# KiCad board Corne V4 Kea Workshop Edition.kicad_pcb
title: Corne; date: 2023-10-22; rev: 4.0.0; company: foostan
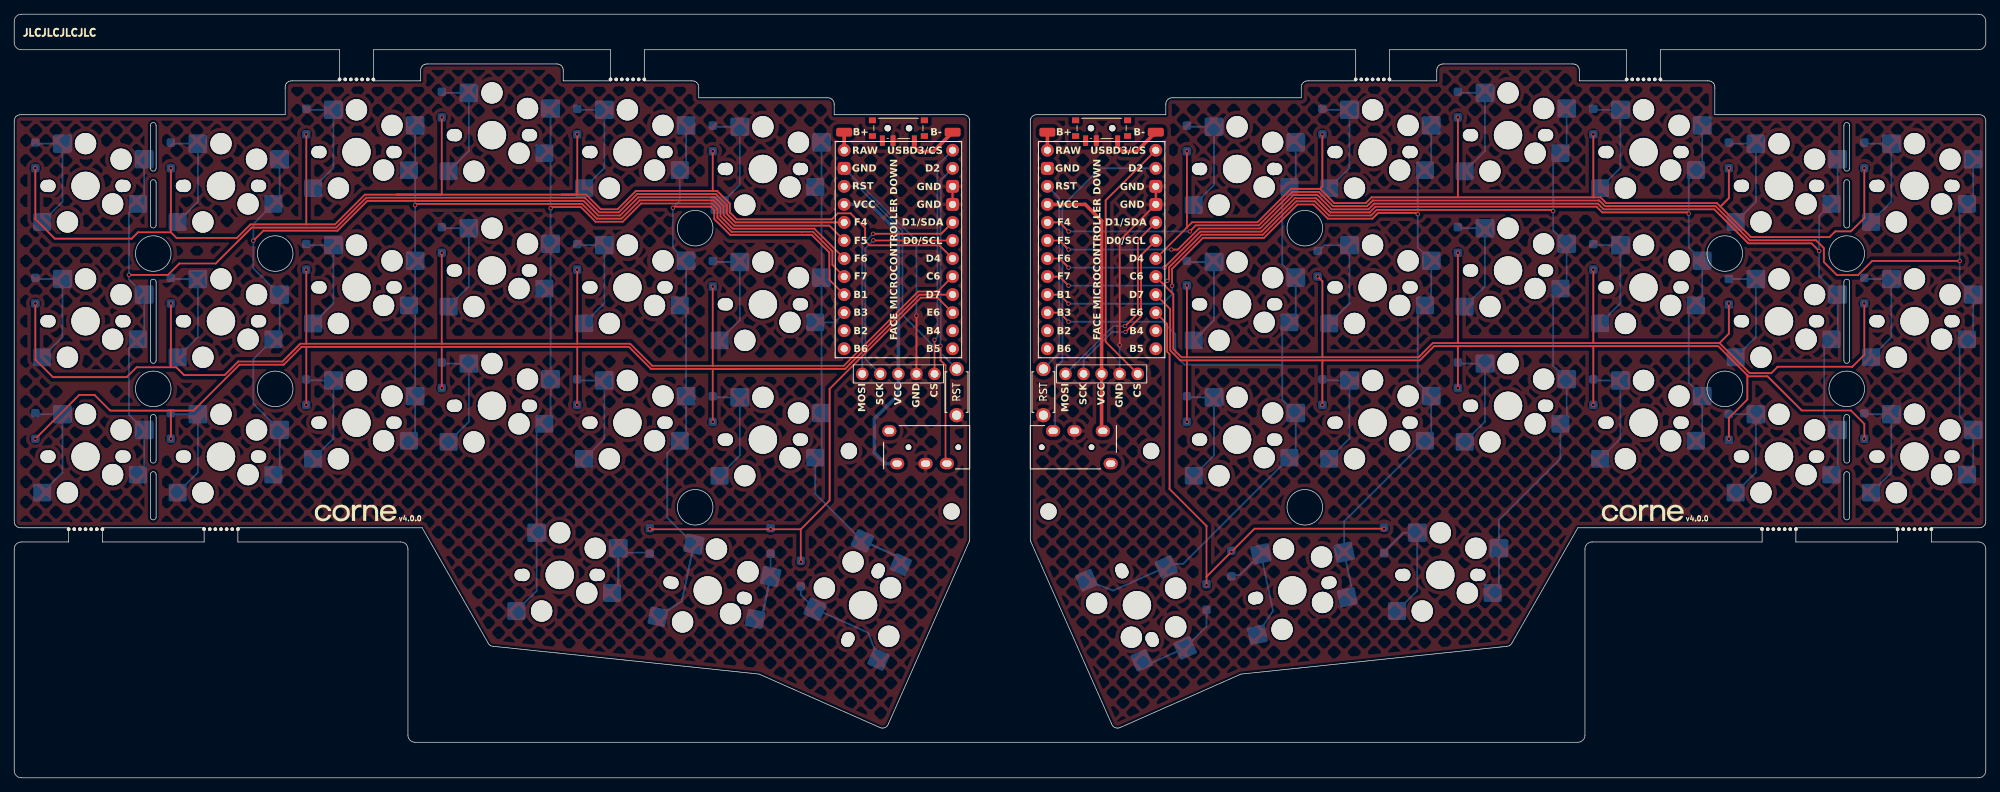
[diagram p0: board, top side]
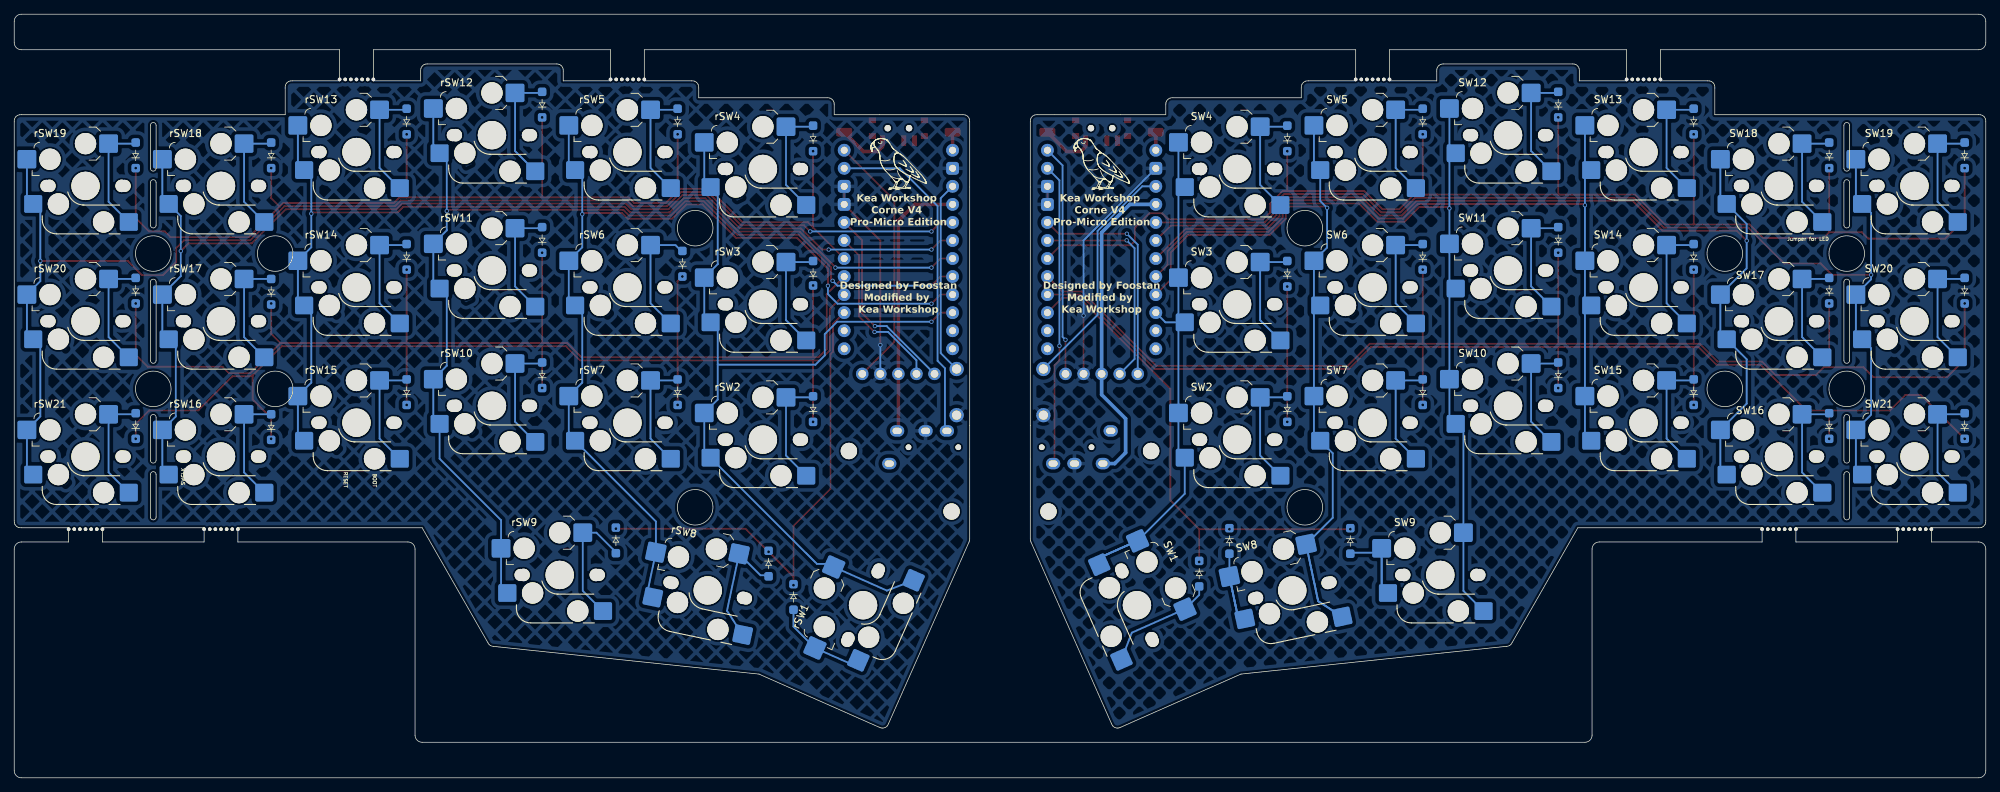
[diagram p1: board, bottom side, seen from below]

Outline 277.23 x 107.49 mm; copper layers: Top, Bottom. Coordinates in mm from the lower left corner of the outline.
Outline path: circle c19.55,73.8 r2.5 ; circle c19.55,54.75 r2.5 ; circle c36.7,73.8 r2.5 ; circle c36.7,54.75 r2.5 ; circle c95.75,77.37 r2.5 ; circle c95.75,38.08 r2.5 ; circle c181.48,77.37 r2.5 ; circle c181.48,38.08 r2.5 ; circle c240.53,73.8 r2.5 ; circle c240.53,54.75 r2.5 ; circle c257.68,73.8 r2.5 ; circle c257.68,54.75 r2.5 ; 0,92.35 0,36.2 ; 1,35.2 7.65,35.2 7.65,33.2 1,33.2 arc(0.29,32.91) 0,32.2 0,1 arc(0.29,0.29) 1,0 276.23,0 arc(276.93,0.29) 277.23,1 277.23,32.2 arc(276.93,32.91) 276.23,33.2 269.58,33.2 269.58,35.2 276.23,35.2 ; 38.1,97.11 38.1,93.35 1,93.35 ; 39.1,98.11 45.75,98.11 45.75,102.49 1,102.49 arc(0.29,102.79) 0,103.49 0,106.49 arc(0.29,107.2) 1,107.49 276.23,107.49 arc(276.93,107.2) 277.23,106.49 277.23,103.49 arc(276.93,102.79) 276.23,102.49 231.48,102.49 231.48,98.11 238.13,98.11 ; 57.15,99.49 57.15,98.11 50.5,98.11 50.5,102.49 83.85,102.49 83.85,98.11 77.2,98.11 77.2,99.49 ; 66.61,19 57.36,35.2 31.45,35.2 31.45,33.2 54.36,33.2 arc(55.07,32.91) 55.36,32.2 55.36,6 arc(55.65,5.29) 56.36,5 219.87,5 arc(220.57,5.29) 220.87,6 220.87,32.2 arc(221.16,32.91) 221.87,33.2 245.78,33.2 245.78,35.2 219.87,35.2 210.61,19 ; 67.38,18.51 104.73,14.6 121.62,7.12 ; 76.2,100.49 58.15,100.49 ; 95.25,98.11 88.6,98.11 88.6,102.49 188.63,102.49 188.63,98.11 181.98,98.11 ; 96.25,97.11 96.25,95.73 114.3,95.73 ; 115.3,94.73 115.3,93.35 133.35,93.35 ; 122.94,7.63 134.26,33.21 ; 134.35,92.35 134.35,33.61 ; 142.88,92.35 142.88,33.61 ; 143.88,93.35 161.93,93.35 161.93,94.73 ; 154.28,7.63 142.96,33.21 ; 162.93,95.73 180.98,95.73 180.98,97.11 ; 155.6,7.12 172.49,14.6 209.85,18.51 ; 200.03,99.49 200.03,98.11 193.38,98.11 193.38,102.49 226.73,102.49 226.73,98.11 220.08,98.11 220.08,99.49 ; 201.03,100.49 219.08,100.49 ; 239.13,97.11 239.13,93.35 276.23,93.35 ; 277.23,92.35 277.23,36.2 ; 12.4,35.2 12.4,33.2 26.7,33.2 26.7,35.2 12.4,35.2 ; 19.15,83.8 19.15,77.8 arc(19.55,77.4) 19.95,77.8 19.95,83.8 arc(19.55,84.2) 19.15,83.8 ; 19.15,69.8 19.15,58.75 arc(19.55,58.35) 19.95,58.75 19.95,69.8 arc(19.55,70.2) 19.15,69.8 ; 19.15,50.75 19.15,44.7 arc(19.55,44.3) 19.95,44.7 19.95,50.75 arc(19.55,51.15) 19.15,50.75 ; 19.15,42.7 19.15,36.7 arc(19.55,36.3) 19.95,36.7 19.95,42.7 arc(19.55,43.1) 19.15,42.7 ; 19.15,91.85 19.15,85.8 arc(19.55,85.4) 19.95,85.8 19.95,91.85 arc(19.55,92.25) 19.15,91.85 ; 250.53,35.2 250.53,33.2 264.83,33.2 264.83,35.2 250.53,35.2 ; 257.28,42.7 257.28,36.7 arc(257.68,36.3) 258.08,36.7 258.08,42.7 arc(257.68,43.1) 257.28,42.7 ; 257.28,91.85 257.28,85.8 arc(257.68,85.4) 258.08,85.8 258.08,91.85 arc(257.68,92.25) 257.28,91.85 ; 257.28,83.8 257.28,77.8 arc(257.68,77.4) 258.08,77.8 258.08,83.8 arc(257.68,84.2) 257.28,83.8 ; 257.28,69.8 257.28,58.75 arc(257.68,58.35) 258.08,58.75 258.08,69.8 arc(257.68,70.2) 257.28,69.8 ; 257.28,50.75 257.28,44.7 arc(257.68,44.3) 258.08,44.7 258.08,50.75 arc(257.68,51.15) 257.28,50.75
Stack: Top 0.035mm / dielectric 1.51mm FR4 er 4.5 / Bottom 0.035mm

## Placement (name value [footprint] x y rotation side)
BT1  Breakaway Tabs  [Breakaway_Tabs]  48.13 98.31 0 top
BT2  Breakaway Tabs  [Breakaway_Tabs]  86.23 98.31 0 top
BT3  Breakaway Tabs  [Breakaway_Tabs]  10.03 35 0 top
BT4  Breakaway Tabs  [Breakaway_Tabs]  29.08 35 0 top
D1  D  [D_SOD-123]  110.6 28.74 270 bottom
D2  D  [D_SOD-123]  98.22 51.9 90 bottom
D3  D  [D_SOD-123]  98.22 70.95 90 bottom
D4  D  [D_SOD-123]  98.22 90 90 bottom
D5  D  [D_SOD-123]  79.17 92.39 90 bottom
D6  D  [D_SOD-123]  79.17 73.34 90 bottom
D7  D  [D_SOD-123]  79.17 54.29 90 bottom
D8  D  [D_SOD-123]  106.36 33.34 270 bottom
D9  D  [D_SOD-123]  89.36 33.34 270 bottom
D10  D  [D_SOD-123]  60.12 56.67 90 bottom
D11  D  [D_SOD-123]  60.12 75.72 90 bottom
D12  D  [D_SOD-123]  60.12 94.77 90 bottom
D13  D  [D_SOD-123]  41.07 92.39 90 bottom
D14  D  [D_SOD-123]  41.07 73.34 90 bottom
D15  D  [D_SOD-123]  41.07 54.29 90 bottom
D16  D  [D_SOD-123]  22.02 49.52 90 bottom
D17  D  [D_SOD-123]  22.02 68.57 90 bottom
D18  D  [D_SOD-123]  22.02 87.62 90 bottom
D19  D  [D_SOD-123]  2.97 87.62 90 bottom
D20  D  [D_SOD-123]  2.97 68.57 90 bottom
D21  D  [D_SOD-123]  2.97 49.52 90 bottom
D22  D  [D_SOD-123]  167.65 25.46 270 bottom
D23  D  [D_SOD-123]  164.9 51.9 90 bottom
D24  D  [D_SOD-123#2]  164.9 70.95 90 bottom
D25  D  [D_SOD-123]  164.9 90 90 bottom
D26  D  [D_SOD-123]  183.95 92.39 90 bottom
D27  D  [D_SOD-123]  183.28 72.37 90 bottom
D28  D  [D_SOD-123]  183.95 54.29 90 bottom
D29  D  [D_SOD-123]  171.15 30.16 270 bottom
D30  D  [D_SOD-123]  192.63 33.42 270 bottom
D31  D  [D_SOD-123]  203 56.67 90 bottom
D32  D  [D_SOD-123]  203 75.72 90 bottom
D33  D  [D_SOD-123]  203 94.77 90 bottom
D34  D  [D_SOD-123]  222.05 92.39 90 bottom
D35  D  [D_SOD-123]  222.05 73.34 90 bottom
D36  D  [D_SOD-123]  222.05 54.29 90 bottom
D37  D  [D_SOD-123]  241.1 49.37 90 bottom
D38  D  [D_SOD-123]  241.1 68.42 90 bottom
D39  D  [D_SOD-123]  241.1 87.62 90 bottom
D40  D  [D_SOD-123]  260.15 87.62 90 bottom
D41  D  [D_SOD-123]  260.15 68.57 90 bottom
D42  D  [D_SOD-123]  260.15 49.52 90 bottom
Display1  nice!view  [nice_view]  152.9 73.37 0 top
Display2  nice!view  [nice_view]  124.33 73.37 0 top
G***  LOGO  [corne-logo-horizontal]  229.1 37.2 0 top
G***#2  LOGO  [corne-logo-horizontal]  48.13 37.2 0 top
J5  PJ-320A-DoubleSide  [TRRS-PJ-320A]  142.88 46.53 90 top
J6  PJ-320A-DoubleSide  [TRRS-PJ-320A]  134.35 46.53 270 top
rBT1  Breakaway Tabs  [Breakaway_Tabs]  229.1 98.31 0 top
rBT2  Breakaway Tabs  [Breakaway_Tabs]  191 98.31 0 top
rBT3  Breakaway Tabs  [Breakaway_Tabs]  267.2 35 0 top
rBT4  Breakaway Tabs  [Breakaway_Tabs]  248.15 35 0 top
Ref**  Val**  [thread_m2]  159.86 46 0 top
REF**  -  [Kea Workshop Logo]  152.9 86.37 180 bottom
Ref**#2  Val**  [thread_m2]  145.43 37.48 0 top
REF**#2  -  [Kea Workshop Logo]  124.33 86.37 180 bottom
Ref**#3  Val**  [thread_m2]  117.37 46 180 bottom
Ref**#4  Val**  [thread_m2]  131.8 37.48 180 bottom
rSW1  SW_Push  [SW_MXchoc_HS_1u]  157.87 24.3 293.9 bottom
rSW2  SW_Push  [SW_MXchoc_HS_1u]  171.95 47.6 0 bottom
rSW3  SW_Push  [SW_MXchoc_HS_1u]  171.95 66.65 0 bottom
rSW4  SW_Push  [SW_MXchoc_HS_1u]  171.95 85.7 0 bottom
rSW5  SW_Push  [SW_MXchoc_HS_1u]  191 88.09 0 bottom
rSW6  SW_Push  [SW_MXchoc_HS_1u]  191 69.04 0 bottom
rSW7  SW_Push  [SW_MXchoc_HS_1u]  191 49.99 0 bottom
rSW8  SW_Push  [SW_MXchoc_HS_1u#2]  179.71 26.38 11.9 bottom
rSW9  SW_Push  [SW_MXchoc_HS_1u]  200.53 28.55 0 bottom
rSW10  SW_Push  [SW_MXchoc_HS_1u]  210.05 52.37 0 bottom
rSW11  SW_Push  [SW_MXchoc_HS_1u]  210.05 71.42 0 bottom
rSW12  SW_Push  [SW_MXchoc_HS_1u]  210.05 90.47 0 bottom
rSW13  SW_Push  [SW_MXchoc_HS_1u]  229.1 88.09 0 bottom
rSW14  SW_Push  [SW_MXchoc_HS_1u]  229.1 69.04 0 bottom
rSW15  SW_Push  [SW_MXchoc_HS_1u]  229.1 49.99 0 bottom
rSW16  SW_Push  [SW_MXchoc_HS_1u]  248.15 45.22 0 bottom
rSW17  SW_Push  [SW_MXchoc_HS_1u]  248.15 64.27 0 bottom
rSW18  SW_Push  [SW_MXchoc_HS_1u]  248.15 83.32 0 bottom
rSW19  SW_Push  [SW_MXchoc_HS_1u]  267.2 83.32 0 bottom
rSW20  SW_Push  [SW_MXchoc_HS_1u]  267.2 64.27 0 bottom
rSW21  SW_Push  [SW_MXchoc_HS_1u]  267.2 45.22 0 bottom
RSW22  SW_PUSH  [ResetSW_1side]  144.72 54.3 90 top
RSW23  SW_PUSH  [ResetSW_1side]  132.51 54.3 90 top
SW1  SW_Push  [SW_MXchoc_HS_1u]  119.36 24.3 66.1 bottom
SW2  SW_Push  [SW_MXchoc_HS_1u]  105.28 47.6 0 bottom
SW3  SW_Push  [SW_MXchoc_HS_1u]  105.28 66.65 0 bottom
SW4  SW_Push  [SW_MXchoc_HS_1u]  105.28 85.7 0 bottom
SW5  SW_Push  [SW_MXchoc_HS_1u]  86.23 88.09 0 bottom
SW6  SW_Push  [SW_MXchoc_HS_1u]  86.23 69.04 0 bottom
SW7  SW_Push  [SW_MXchoc_HS_1u]  86.23 49.99 0 bottom
SW8  SW_Push  [SW_MXchoc_HS_1u#2]  97.51 26.38 348.1 bottom
SW9  SW_Push  [SW_MXchoc_HS_1u]  76.7 28.55 0 bottom
SW10  SW_Push  [SW_MXchoc_HS_1u]  67.18 52.37 0 bottom
SW11  SW_Push  [SW_MXchoc_HS_1u]  67.18 71.42 0 bottom
SW12  SW_Push  [SW_MXchoc_HS_1u]  67.18 90.47 0 bottom
SW13  SW_Push  [SW_MXchoc_HS_1u]  48.13 88.09 0 bottom
SW14  SW_Push  [SW_MXchoc_HS_1u]  48.13 69.04 0 bottom
SW15  SW_Push  [SW_MXchoc_HS_1u]  48.13 49.99 0 bottom
SW16  SW_Push  [SW_MXchoc_HS_1u]  29.08 45.22 0 bottom
SW17  SW_Push  [SW_MXchoc_HS_1u]  29.08 64.27 0 bottom
SW18  SW_Push  [SW_MXchoc_HS_1u]  29.08 83.32 0 bottom
SW19  SW_Push  [SW_MXchoc_HS_1u]  10.03 83.32 0 bottom
SW20  SW_Push  [SW_MXchoc_HS_1u]  10.03 64.27 0 bottom
SW21  SW_Push  [SW_MXchoc_HS_1u]  10.03 45.22 0 bottom
SW43  PCM12SMTR  [SW_SPDT_PCM12]  152.9 91.12 180 top
SW44  PCM12SMTR  [SW_SPDT_PCM12]  124.33 91.12 180 top
U1  Universal_Pro_Micro  [Universal_Pro_Micro_Footprint]  152.9 74.37 0 top
U2  Universal_Pro_Micro  [Universal_Pro_Micro_Footprint]  124.33 74.37 0 top

## Library data of the parts
BT1-BT4 rBT1-rBT4 = -: Description: Mounting Hole without connection
D1-D42 = -: Description: Diode
Display1 Display2 = -: Description: Sharp LS011B7DH03 Memory in Pixel 160x68
J5 J6 = -: Description: 4-pin (audio) jack receptable (stereo + 4th pin/TRRS connector), compatible with PJ320A
rSW1-rSW21 SW1-SW21 = -: Description: Push button switch, generic, two pins
SW43 SW44 = -: MANUFACTURER: C&K; STANDARD: Manufacturer Recommendation
U1 U2 = -: Description: Symbol for an nicekeyboards nice!nano

## Footprints (pads in the part's own frame, mm; a bottom-side part is the same pattern mirrored in y, then rotated)
Breakaway_Tabs
  round 0.5 hole 0.5 unplated: (-2.375,0) (-1.583,0) (-0.792,0) (0,0) (0.792,0) (1.583,0) (2.375,0)
D_SOD-123
  rrect 1.2x1.2 smd: 1(-1.8,0) 2(1.8,0)
D_SOD-123#2
  rrect 1.2x1.2 smd: 1(-1.65,0) 2(1.8,0)
nice_view
  round 1.753 hole 1.092: 1(-5.08,-16.51) 2(-2.54,-16.51) 3(0,-16.51) 4(2.54,-16.51) 5(5.08,-16.51)
ResetSW_1side
  round 2 hole 1.3: 1(3.25,0) 2(-3.25,0)
SW_MXchoc_HS_1u
  round 1.7 hole 1.7 unplated: (-5.5,0) (5.5,0)
  round 1.75 hole 1.75 unplated: (-5.08,0) (5.08,0)
  round 3 hole 3 unplated: (-2.54,5.08) (0,-5.95) (3.81,2.54) (5,-3.75)
  round 3.988 hole 3.988 unplated: (0,0)
  rrect 2.55x2.5 smd: 1(7.36,2.54) 2(-6.09,5.08)
  rrect 2.65x2.6 smd: 1(8.245,-3.75) 2(-3.245,-5.95)
SW_MXchoc_HS_1u#2
  round 1.7 hole 1.7 unplated: (-5.5,0) (5.5,0)
  round 1.75 hole 1.75 unplated: (-5.08,0) (5.08,0)
  round 3 hole 3 unplated: (-2.54,5.08) (0,-5.95) (3.81,2.54) (5,-3.75)
  round 3.988 hole 3.988 unplated: (0,0)
  rrect 2.55x2.5 smd: 1(7.36,2.54) 2(-6.09,5.08)
  rrect 2.65x2.6 smd: 1(8.245,-3.75) 2(-3.245,-5.95)
SW_SPDT_PCM12
  rect 1x0.8 smd: (-3.65,0.78) (-3.65,-1.43) (3.65,0.78) (3.65,-1.43)
  round 0.9 hole 0.9 unplated: (-1.5,-0.33) (1.5,-0.33)
  rect 0.7x1.5 smd: 1(-2.25,1.43) 2(0.75,1.43) 3(2.25,1.43)
thread_m2
  round 2.3 hole 2.3 unplated: (0,0)
TRRS-PJ-320A
  round 0.8 hole 0.8 unplated: (0,-1.6) (0,-8.6)
  oval 1.6x2 hole 0.9x1.3: 1(-2.3,-11.3) 2(2.3,-10.2) 3(2.3,-6.2) 4(2.3,-3.2)
Universal_Pro_Micro_Footprint
  round 1.8 hole 1: 1(7.62,13.97) 2(7.62,11.43) 5(7.62,3.81) 6(7.62,1.27) 7(7.62,-1.27) 8(7.62,-3.81) 9(7.62,-6.35) 10(7.62,-8.89) 11(7.62,-11.43) 12(7.62,-13.97) 13(-7.62,13.97) 15(-7.62,8.89) 16(-7.62,6.35) 17(-7.62,3.81) 18(-7.62,1.27) 19(-7.62,-1.27) 20(-7.62,-3.81) 21(-7.62,-6.35) 22(-7.62,-8.89) 23(-7.62,-11.43) 24(-7.62,-13.97)
  rrect 1.8x1.8 hole 1: 3(7.62,8.89) 4(7.62,6.35) 14(-7.62,11.43)
  rrect 2.25x1.25 smd: 25(-7.62,16.51) 26(7.62,16.51)

## Nets
GND: Display2.4 J6.3 RSW23.2 SW44.2 U2.3 U2.4 U2.14
GNDr: Display1.4 J5.3 RSW22.2 SW43.2 U1.3 U1.4 U1.14
VCC: Display2.3 J6.2 U2.16
VCCr: Display1.3 J5.2 U1.16
B+: U2.13 U2.25
B+r: U1.13 U1.25
B-: SW44.1 U2.26
B-r: SW43.1 U1.26
col0: SW19.1 SW20.1 SW21.1 U2.17
col0r: rSW19.1 rSW20.1 rSW21.1 U1.17
col1: SW16.1 SW17.1 SW18.1 U2.18
col1r: rSW16.1 rSW17.1 rSW18.1 U1.18
col2: SW13.1 SW14.1 SW15.1 U2.19
col2r: rSW13.1 rSW14.1 rSW15.1 U1.19
col3: SW9.2 SW10.1 SW11.1 SW12.1 U2.20
col3r: rSW9.1 rSW10.1 rSW11.1 rSW12.1 U1.20
col4: SW5.1 SW6.1 SW7.1 SW8.2 U2.21
col4r: rSW5.1 rSW6.1 rSW7.1 rSW8.1 U1.21
col5: SW1.1 SW2.1 SW3.1 SW4.1 U2.22
col5r: rSW1.2 rSW2.1 rSW3.1 rSW4.1 U1.22
cs: Display2.5 U2.1
csr: Display1.5 U1.1
data: J6.4 U2.2
datar: J5.4 U1.2
MOSI: Display2.1 U2.5
MOSIr: Display1.1 U1.5
reset: RSW23.1 U2.15
resetr: RSW22.1 U1.15
row0: D4.1 D5.1 D12.1 D13.1 D18.1 D19.1 U2.7
row0r: D25.1 D26.1 D33.1 D34.1 D39.1 D40.1 U1.7
row1: D3.1 D6.1 D11.1 D14.1 D17.1 D20.1 U2.8
row1r: D24.1 D27.1 D32.1 D35.1 D38.1 D41.1 U1.8
row2: D2.1 D7.1 D10.1 D15.1 D16.1 D21.1 U2.9
row2r: D23.1 D28.1 D31.1 D36.1 D37.1 D42.1 U1.9
row3: D1.1 D8.1 D9.1 U2.10
row3r: D22.1 D29.1 D30.1 U1.10
SCK: Display2.2 U2.6
SCKr: Display1.2 U1.6
Net-(D1-A): D1.2 SW1.2
Net-(D2-A): D2.2 SW2.2
Net-(D3-A): D3.2 SW3.2
Net-(D4-A): D4.2 SW4.2
Net-(D5-A): D5.2 SW5.2
Net-(D6-A): D6.2 SW6.2
Net-(D7-A): D7.2 SW7.2
Net-(D8-A): D8.2 SW8.1
Net-(D9-A): D9.2 SW9.1
Net-(D10-A): D10.2 SW10.2
Net-(D11-A): D11.2 SW11.2
Net-(D12-A): D12.2 SW12.2
Net-(D13-A): D13.2 SW13.2
Net-(D14-A): D14.2 SW14.2
Net-(D15-A): D15.2 SW15.2
Net-(D16-A): D16.2 SW16.2
Net-(D17-A): D17.2 SW17.2
Net-(D18-A): D18.2 SW18.2
Net-(D19-A): D19.2 SW19.2
Net-(D20-A): D20.2 SW20.2
Net-(D21-A): D21.2 SW21.2
Net-(D22-A): D22.2 rSW1.1
Net-(D23-A): D23.2 rSW2.2
Net-(D24-A): D24.2 rSW3.2
Net-(D25-A): D25.2 rSW4.2
Net-(D26-A): D26.2 rSW5.2
Net-(D27-A): D27.2 rSW6.2
Net-(D28-A): D28.2 rSW7.2
Net-(D29-A): D29.2 rSW8.2
Net-(D30-A): D30.2 rSW9.2
Net-(D31-A): D31.2 rSW10.2
Net-(D32-A): D32.2 rSW11.2
Net-(D33-A): D33.2 rSW12.2
Net-(D34-A): D34.2 rSW13.2
Net-(D35-A): D35.2 rSW14.2
Net-(D36-A): D36.2 rSW15.2
Net-(D37-A): D37.2 rSW16.2
Net-(D38-A): D38.2 rSW17.2
Net-(D39-A): D39.2 rSW18.2
Net-(D40-A): D40.2 rSW19.2
Net-(D41-A): D41.2 rSW20.2
Net-(D42-A): D42.2 rSW21.2

Pads without a net: J5 1; J6 1; SW43 3; SW44 3; U1 11 12 23 24; U2 11 12 23 24

## Via types
v1: diameter 0.6, hole 0.4, Top to Bottom, 71 vias

## Routing (per net, layer and track width the routed paths; a pad name or vN(x,y) marks a point on that pad's centre or on a via; arc(x,y) is an arc through that point)
GND: length 35.8
  Top w0.25: U2.3 U2.4 ; Display2.4 126.87,65.05 126.85,65.06 126.87,65.07 126.87,65.15
  Bottom w0.25: v1(126.87,65.06) 126.87,75.64 U2.14
GNDr: length 28.5
  Top w0.25: U1.3 U1.4 155.44,75.64 v1(155.44,60.91)
  Bottom w0.25: Display1.4 v1(155.44,60.91)
VCC: length 45.5
  Bottom w0.5: J6.2 122.48,44.23 120.95,45.76 120.95,50.56 124.33,53.93 Display2.3 124.33,76.76 120.36,80.72 U2.16
VCCr: length 38.2
  Top w0.5: J5.2 152.9,49.01 Display1.3 152.9,78.41 150.59,80.72 U1.16
B+: length 2.5
  Top w0.5: U2.13 U2.25
B+r: length 2.5
  Top w0.5: U1.25 U1.13
B-: length 7.9
  Top w0.5: U2.26 129.23,88.16 127.25,88.16 126.58,88.84 126.58,89.94
B-r: length 7.9
  Top w0.5: U1.26 157.8,88.16 155.83,88.16 155.15,88.84 155.15,89.94
col0: length 157.7
  Top w0.25: v1(16.13,70.8) 21.62,70.8 23.22,72.4 28.34,72.4 33.4,77.46 45.28,77.46 49.48,81.66 80.23,81.66 82.29,79.6 85.02,79.6 87.59,82.17 98.67,82.17 100.19,80.65 100.19,79.4 101.41,78.18 U2.17
  Bottom w0.25: SW21.1 18.27,43.57 SW21.1 16.13,51.12 16.13,60.47 SW20.1 18.27,62.62 SW20.1 16.13,70.17 v1(16.13,70.8) 16.13,79.52 SW19.1 18.27,81.67 SW19.1
col0r: length 186.5
  Top w0.25: U1.17 146.98,78.18 v1(148.25,76.91) ; v1(165.3,76.91) 166.16,77.77 175.01,77.77 179.71,82.47 183.43,82.47 185.43,80.47 190.23,80.47 191.03,81.27 222.87,81.27 223.67,80.47 239.22,80.47 244.02,75.67 253.34,75.67 254.45,74.56 254.45,72.61 256.3,70.76 259.25,70.76 261.25,72.76 v1(273.55,72.76)
  Bottom w0.25: rSW21.1 275.45,43.57 rSW21.1 273.55,50.87 273.55,60.73 rSW20.1 275.45,62.62 rSW20.1 273.55,69.92 v1(273.55,72.76) 273.55,79.78 rSW19.1 275.45,81.67 rSW19.1 ; v1(165.3,76.91) v1(148.25,76.91)
col1: length 141.5
  Top w0.25: U2.18 114.61,77.74 101.23,77.74 99.75,79.22 99.75,80.47 98.49,81.73 87.77,81.73 85.2,79.16 82.11,79.16 80.05,81.22 49.66,81.22 45.46,77.02 35.04,77.02 v1(33.62,75.6)
  Bottom w0.25: SW18.1 37.32,81.67 SW18.1 33.63,77.97 33.63,75.61 v1(33.62,75.6) 33.63,75.59 33.63,71.72 SW17.1 37.32,62.62 SW17.1 33.63,58.92 33.63,52.67 SW16.1 37.32,43.57 SW16.1
col1r: length 164.6
  Top w0.25: v1(253.8,74.16) 252.73,75.23 243.84,75.23 239.04,80.03 223.49,80.03 222.69,80.83 191.22,80.83 190.42,80.03 185.25,80.03 183.25,82.03 179.89,82.03 175.19,77.33 166.59,77.33 163.62,74.36 v1(162.7,74.36) ; U1.18 146.97,75.64 v1(148.25,74.36)
  Bottom w0.25: rSW18.1 256.4,81.67 rSW18.1 253.8,79.08 v1(253.8,74.16) 253.8,70.62 rSW17.1 256.4,62.62 rSW17.1 254.5,60.73 254.5,50.87 rSW16.1 256.4,43.57 rSW16.1 ; v1(162.7,74.36) v1(148.25,74.36)
col2: length 112.7
  Top w0.25: U2.19 112.51,77.3 101.05,77.3 99.31,79.04 99.31,80.29 98.31,81.29 87.95,81.29 85.38,78.72 81.93,78.72 79.87,80.78 56.54,80.78 v1(56.37,80.6)
  Bottom w0.25: SW13.1 56.37,86.43 SW13.1 56.37,84.66 SW14.1 56.37,67.38 SW14.1 56.37,65.61 SW15.1 56.37,48.33 SW15.1
col2r: length 144.2
  Top w0.25: v1(235.45,79.42) 235.28,79.59 223.31,79.59 222.51,80.39 191.4,80.39 190.6,79.59 185.07,79.59 183.07,81.59 180.07,81.59 175.37,76.89 166.78,76.89 161.75,71.86 v1(161.75,71.82) ; U1.19 146.97,73.1 v1(148.25,71.82)
  Bottom w0.25: rSW13.1 237.35,86.43 rSW13.1 235.45,84.54 v1(235.45,79.42) 235.45,74.68 rSW14.1 237.35,67.38 rSW14.1 235.45,65.49 235.45,55.63 rSW15.1 237.35,48.33 rSW15.1 ; v1(161.75,71.82) v1(148.25,71.82)
col3: length 123.6
  Top w0.25: U2.20 115.05,72.21 115.05,74.13 112.32,76.86 100.86,76.86 98.87,78.86 98.87,80.11 98.12,80.85 88.13,80.85 85.56,78.28 81.75,78.28 79.69,80.34 75.59,80.34 v1(75.42,80.16)
  Bottom w0.25: SW12.1 75.42,88.81 SW12.1 75.42,87.04 SW11.1 75.42,69.76 SW11.1 75.42,67.99 SW10.1 75.42,50.71 SW10.1 73.46,48.75 SW9.2 73.46,26.32 SW9.2
col3r: length 154.4
  Top w0.25: v1(162.15,69.96) 162.37,70.17 162.37,71.85 166.96,76.45 175.56,76.45 180.26,81.15 182.88,81.15 184.88,79.15 190.78,79.15 191.58,79.95 216.23,79.95 v1(216.4,79.78) ; v1(148.25,69.28) 146.97,70.56 U1.20
  Bottom w0.25: 207.89,26.01 208.77,26.9 rSW9.1 208.77,36.28 217.41,44.92 rSW10.1 218.3,50.71 rSW10.1 216.4,58.01 216.4,67.87 rSW11.1 218.3,69.76 rSW11.1 216.4,77.06 216.4,86.92 rSW12.1 218.3,88.81 rSW12.1 ; v1(148.25,69.28) 161.47,69.28 v1(162.15,69.96)
col4: length 120.6
  Top w0.25: v1(92.62,80.24) 92.79,80.41 97.94,80.41 98.43,79.92 98.43,78.67 100.68,76.42 112.14,76.42 114.61,73.95 114.61,70.11 U2.21
  Bottom w0.25: SW5.1 94.47,86.43 SW5.1 93.59,81.21 v1(92.62,80.24) 92.62,74.64 SW6.1 94.47,67.38 SW6.1 94.47,65.61 SW7.1 94.47,48.33 SW7.1 91.83,45.69 91.83,36.62 SW8.2 ; 93.88,24.87 95.58,32.87 93.88,24.87 ; 93.88,24.87 90.5,22.68 93.88,24.87
col4r: length 136.7
  Top w0.25: U1.21 146.97,68.02 v1(148.25,66.74) ; v1(162.81,69.26) 162.81,71.67 167.15,76.01 175.74,76.01 180.44,80.71 182.7,80.71 184.7,78.71 190.96,78.71 191.76,79.51 197.18,79.51 v1(197.35,79.34)
  Bottom w0.25: 187.44,25.42 188.12,26.47 187,31.76 ; v1(148.25,66.74) 161.46,66.74 162.81,68.09 v1(162.81,69.26) ; rSW8.1 187,36.09 rSW7.1 199.25,48.33 rSW7.1 197.35,55.63 197.35,65.49 rSW6.1 199.25,67.38 rSW6.1 197.35,74.68 v1(197.35,79.34) 197.35,84.54 rSW5.1 199.25,86.43 rSW5.1
col5: length 85.3
  Bottom w0.25: SW1.1 112.64,39.98 SW2.1 113.52,45.95 SW2.1 113.52,63.23 SW3.1 ; 124.22,31.16 124.67,29.99 ; 124.22,31.16 119.28,33.35 ; 124.22,31.16 124.67,29.99 ; 124.22,31.16 124.67,29.99 ; 124.22,31.16 119.28,33.35 ; 124.22,31.16 119.28,33.35 ; U2.22 115.34,64.11 SW3.1 ; SW3.1 113.52,65 SW3.1 113.52,82.28 SW4.1 113.52,84.05 SW4.1
col5r: length 121.4
  Top w0.25: v1(148.25,64.2) 146.97,65.48 U1.22
  Bottom w0.25: v1(148.25,64.2) 161.51,64.2 163.25,62.46 163.25,59.46 164.55,58.16 178.3,58.16 ; 150.75,27.79 154.51,26.35 161.98,29.68 ; rSW4.1 180.2,84.05 rSW4.1 178.3,82.16 178.3,72.3 rSW3.1 180.2,65 rSW3.1 178.3,63.11 178.3,58.16 ; 162,30.11 164.36,30.11 rSW2.1 180.2,45.95 rSW2.1 178.3,53.25 178.3,58.16
cs: length 32.5
  Top w0.25: v1(129.41,61.66) Display2.5
  Bottom w0.25: U2.1 129.81,86.21 129.81,62.07 v1(129.41,61.66)
csr: length 36.3
  Top w0.25: U1.1 153.47,81.28 153.47,61.37 Display1.5
data: length 42.6
  Top w0.25: v1(130.25,60.81) 130.25,58.76 130.95,58.06 130.95,44.43 J6.4
  Bottom w0.25: v1(130.25,60.81) 130.25,84.11 U2.2
datar: length 47.5
  Bottom w0.25: J5.4 146.35,49.11 146.35,57.66 147.39,58.7 147.39,80.5 152.69,85.8 U1.2
MOSI: length 32.2
  Top w0.25: U2.5 130.35,76.58 v1(120.78,76.58)
  Bottom w0.25: Display2.1 119.25,75.05 v1(120.78,76.58)
MOSIr: length 27.6
  Top w0.25: v1(156.2,63.59) 158.01,65.4 158.01,75.67 U1.5
  Bottom w0.25: v1(156.2,63.59) 154.55,63.59 Display1.1
reset: length 33.4
  Bottom w0.25: RSW23.1 124.89,65.17 124.89,76.99 118.62,83.26 U2.15
resetr: length 27.3
  Bottom w0.25: U1.15 146.95,81.59 146.95,59.79 RSW22.1
row0: length 204.1
  Top w0.25: 53.72,82.1 49.29,82.1 45.09,77.9 33.22,77.9 31.32,76 22.82,76 22.02,76.8 ; 53.72,82.1 60.12,82.1 v1(60.12,92.97) ; 53.72,82.1 77.02,82.1 ; 22.02,76.8 17.42,76.8 16.52,75.9 5.72,75.9 2.97,78.64 v1(2.97,85.82) ; 22.02,76.8 22.02,76.8 v1(22.02,85.82) ; 77.02,82.1 80.42,82.1 82.48,80.04 84.83,80.04 87.4,82.61 98.85,82.61 100.63,80.83 100.63,79.59 101.59,78.62 114.96,78.62 115.8,79.46 117.6,79.46 119.65,77.41 119.65,75.56 120.25,74.96 130.09,74.96 U2.7 ; 77.02,82.1 79.17,82.1 v1(79.17,90.59) ; v1(41.07,90.59) 41.07,77.92 ; v1(98.22,88.2) 98.22,82.61
row0r: length 159.9
  Top w0.25: 239.91,80.41 239.41,80.91 223.85,80.91 223.05,81.71 222.05,81.71 ; 239.91,80.41 244.21,76.11 255.25,76.11 256.06,76.92 258.26,76.92 260.15,78.8 v1(260.15,85.82) ; 239.91,80.41 241.1,81.6 v1(241.1,85.82) ; U1.7 164.88,77.46 ; 164.88,77.46 164.9,77.47 v1(164.9,88.2) ; 164.88,77.46 165.63,78.21 174.83,78.21 179.53,82.91 183.61,82.91 ; 183.61,82.91 183.95,83.24 v1(183.95,90.59) ; 183.61,82.91 185.61,80.91 190.05,80.91 190.85,81.71 222.05,81.71 ; 222.05,81.71 v1(222.05,90.59) ; v1(203,92.97) 203,81.71
row1: length 201.1
  Top w0.25: 98.22,58 98.22,58 v1(98.22,69.15) ; 98.22,58 116.65,58 127.11,68.46 129.85,68.46 U2.8 ; 98.22,58 89.72,58 86.62,61.1 40.22,61.1 37.72,58.6 31.49,58.6 29.59,56.7 23.87,56.7 22.77,57.8 17.22,57.8 15.82,56.4 5.45,56.4 2.97,58.88 v1(2.97,66.77) ; 60.12,61.1 60.12,61.1 v1(60.12,73.92) ; v1(22.02,66.77) 22.02,57.82 ; v1(41.07,71.54) 41.07,61.1 ; v1(79.17,71.54) 79.17,61.1
row1r: length 170.6
  Top w0.25: U1.8 162.98,68.1 162.98,60.35 164.13,59.2 183.95,59.2 ; 183.95,59.2 197.47,59.2 199.47,61.2 239.78,61.2 ; 183.95,59.2 183.95,69.89 v1(183.28,70.57) ; v1(164.9,69.3) 164.9,59.21 ; v1(203,73.92) 203,61.24 ; 239.78,61.2 241.1,62.51 v1(241.1,66.77) ; 239.78,61.2 244.02,56.96 247.05,56.96 247.95,57.86 258.45,57.86 260.15,59.55 v1(260.15,66.77) ; v1(222.05,71.54) 222.05,61.21
row2: length 179.1
  Top w0.25: v1(79.17,52.49) 79.17,60.6 ; 102.08,57.56 116.83,57.56 127.29,68.02 U2.9 ; 102.08,57.56 98.22,57.56 v1(98.22,50.1) ; 102.08,57.56 89.53,57.56 86.43,60.66 40.4,60.66 37.9,58.16 31.68,58.16 25.22,51.7 22.02,51.7 ; v1(22.02,47.72) 22.02,51.69 22.02,51.7 ; v1(41.07,52.49) 41.07,60.64 ; v1(60.12,54.87) 60.12,60.66 ; v1(2.97,47.72) 9.15,53.9 11.29,53.9 13.49,51.7 22.02,51.7
row2r: length 153.4
  Top w0.25: 183.95,58.76 164.9,58.76 ; 183.95,58.76 197.65,58.76 199.65,60.76 239.6,60.76 243.7,56.66 ; 183.95,58.76 183.95,58.75 v1(183.95,52.49) ; 164.9,58.76 163.95,58.76 162.54,60.17 162.54,66 U1.9 ; 164.9,58.76 v1(164.9,50.1) ; 243.7,56.66 243.7,53.26 241.1,50.65 v1(241.1,47.72) ; 243.7,56.66 243.84,56.52 246.54,56.52 251.35,51.71 258.25,51.71 260.15,49.82 v1(260.15,47.72) ; v1(222.05,52.49) 222.05,60.75 ; v1(203,54.87) 203,60.72
row3: length 70.8
  Top w0.25: v1(110.6,30.39) 110.6,34.99 ; 110.6,34.99 114.65,39.04 114.65,54.76 127.47,67.58 129.85,67.58 U2.10 ; 110.6,34.99 v1(106.36,34.99) v1(89.36,34.99)
row3r: length 69.1
  Top w0.25: v1(167.65,27.11) 167.65,28.31 ; 167.65,28.31 v1(171.15,31.81) 174.41,35.06 192.62,35.06 v1(192.63,35.07) ; 167.65,28.31 167.65,35.46 162.45,40.66 162.45,59.64 162.1,59.99 162.1,63.9 U1.10
SCK: length 31.3
  Top w0.25: U2.6 120.82,75.64 v1(120.8,75.66)
  Bottom w0.25: Display2.2 119.69,58.96 119.69,74.54 v1(120.8,75.66)
SCKr: length 24.1
  Top w0.25: U1.6 158.45,73.57 158.45,64.96 v1(156.25,62.76)
  Bottom w0.25: Display1.2 150.36,58.78 154.34,62.76 v1(156.25,62.76)
Net-(D1-A): length 16.4
  Bottom w0.25: 121.52,16.67 120.08,20.42 112.6,23.75 ; SW1.2 110.6,25.74 110.6,27.09
Net-(D2-A): length 16
  Bottom w0.25: SW2.2 102.03,45.37 SW2.2 98.22,53.55
Net-(D3-A): length 16
  Bottom w0.25: SW3.2 102.03,64.42 102.03,72.6 98.22,72.6
Net-(D4-A): length 16
  Bottom w0.25: 98.22,91.65 SW4.2 102.03,83.47 SW4.2
Net-(D5-A): length 16
  Bottom w0.25: 79.17,94.04 SW5.2 82.98,85.85 SW5.2
Net-(D6-A): length 16
  Bottom w0.25: SW6.2 82.98,66.8 SW6.2 79.17,74.99
Net-(D7-A): length 16
  Bottom w0.25: SW7.2 82.98,47.75 SW7.2 79.17,55.94
Net-(D8-A): length 23.3
  Bottom w0.25: 106.36,28.33 105.24,23.05 ; 106.36,28.33 105.24,23.05 ; 106.36,28.33 105.24,23.05 ; 105.24,23.05 104.19,22.36 ; 105.24,23.05 104.19,22.36 ; 105.24,23.05 104.19,22.36 ; SW8.1 106.36,31.69
Net-(D9-A): length 17.1
  Bottom w0.25: 84.95,26.9 84.06,26.01 84.95,26.9 ; 84.95,26.9 SW9.1 84.95,26.9 ; 89.36,31.69 85.56,31.69
Net-(D10-A): length 16
  Bottom w0.25: SW10.2 63.93,50.13 SW10.2 60.12,58.32
Net-(D11-A): length 16
  Bottom w0.25: 60.12,77.37 SW11.2 63.93,69.18 SW11.2
Net-(D12-A): length 16
  Bottom w0.25: 60.12,96.42 SW12.2 63.93,88.23 SW12.2
Net-(D13-A): length 16
  Bottom w0.25: SW13.2 44.88,85.85 SW13.2 41.07,94.04
Net-(D14-A): length 16
  Bottom w0.25: 41.07,74.99 SW14.2 44.88,66.8 SW14.2
Net-(D15-A): length 16
  Bottom w0.25: 41.07,55.94 SW15.2 44.88,47.75 SW15.2
Net-(D16-A): length 16
  Bottom w0.25: 22.02,51.17 SW16.2 25.83,42.99 SW16.2
Net-(D17-A): length 16
  Bottom w0.25: 22.02,70.22 SW17.2 25.83,62.04 SW17.2
Net-(D18-A): length 16
  Bottom w0.25: 22.02,89.27 SW18.2 25.83,81.09 SW18.2
Net-(D19-A): length 16
  Bottom w0.25: 2.97,89.27 SW19.2 6.78,81.09 SW19.2
Net-(D20-A): length 16
  Bottom w0.25: 2.97,70.22 SW20.2 6.78,62.04 SW20.2
Net-(D21-A): length 16
  Bottom w0.25: 2.97,51.17 SW21.2 6.78,42.99 SW21.2
Net-(D22-A): length 13.4
  Bottom w0.25: 164.65,18.29 159.71,16.09 158.54,16.54 ; rSW1.1 167.65,21.29 167.65,23.81
Net-(D23-A): length 16
  Bottom w0.25: rSW2.2 168.71,45.37 rSW2.2 164.9,53.55
Net-(D24-A): length 16
  Bottom w0.25: rSW3.2 168.71,64.42 168.71,72.6 164.9,72.6
Net-(D25-A): length 16
  Bottom w0.25: 164.9,91.65 rSW4.2 168.71,83.47 rSW4.2
Net-(D26-A): length 16
  Bottom w0.25: 183.95,94.04 rSW5.2 187.76,85.85 rSW5.2
Net-(D27-A): length 17.1
  Bottom w0.25: rSW6.2 187.76,66.8 rSW6.2 184.24,74.99 183.28,74.02
Net-(D28-A): length 16
  Bottom w0.25: rSW7.2 187.76,47.75 rSW7.2 183.95,55.94
Net-(D29-A): length 17.6
  Bottom w0.25: 175.3,31.52 177,23.52 174.81,20.14 ; 171.15,28.51 172.29,28.51 rSW8.2
Net-(D30-A): length 18
  Bottom w0.25: rSW9.2 197.28,26.32 rSW9.2 195.36,34.5 192.63,31.77
Net-(D31-A): length 16
  Bottom w0.25: 203,58.32 rSW10.2 206.81,50.13 rSW10.2
Net-(D32-A): length 16
  Bottom w0.25: 203,77.37 rSW11.2 206.81,69.18 rSW11.2
Net-(D33-A): length 16
  Bottom w0.25: rSW12.2 206.81,88.23 rSW12.2 203,96.42
Net-(D34-A): length 16
  Bottom w0.25: 222.05,94.04 rSW13.2 225.86,85.85 rSW13.2
Net-(D35-A): length 16
  Bottom w0.25: rSW14.2 225.86,66.8 rSW14.2 222.05,74.99
Net-(D36-A): length 16
  Bottom w0.25: rSW15.2 225.86,47.75 rSW15.2 222.05,55.94
Net-(D37-A): length 16
  Bottom w0.25: rSW16.2 244.91,42.99 rSW16.2 D37.2
Net-(D38-A): length 16
  Bottom w0.25: rSW17.2 244.91,62.04 rSW17.2 D38.2
Net-(D39-A): length 16
  Bottom w0.25: 241.1,89.27 rSW18.2 244.91,81.09 rSW18.2
Net-(D40-A): length 16
  Bottom w0.25: 260.15,89.27 rSW19.2 263.96,81.09 rSW19.2
Net-(D41-A): length 16
  Bottom w0.25: 260.15,70.22 rSW20.2 263.96,62.04 rSW20.2
Net-(D42-A): length 16
  Bottom w0.25: 260.15,51.17 rSW21.2 263.96,42.99 rSW21.2

## Copper pours and planes (outline as drawn; the poured copper is in the pictures)
GND on Top: 136.5,101.96 -3.93,101.78 -3.74,5.26 136.31,5.45
GND on Bottom: 136.45,101.96 -3.98,101.78 -3.79,5.26 136.26,5.45
GNDr on Top: 281.1,102.18 140.67,102 140.86,5.48 280.91,5.67
GNDr on Bottom: 281.05,102.19 140.62,102.01 140.81,5.49 280.86,5.68

Small or netless copper shapes (teardrops, artwork), in the pictures only: 2 on Top, 26 on Bottom

## Text on the board
B.Fab: Edge of body
B.Silkscreen: SWCLK | Jumper for LED | BOOT | RESET | Kea Workshop / Corne V4 / Pro-Micro Edition | Designed by Foostan / Modified by / Kea Workshop
F.Silkscreen: v4.0.0 | JLCJLCJLCJLC
